# Altium PCB SAMW25_Xplained_Pro.PcbDoc (part 2 of 9) (continued)
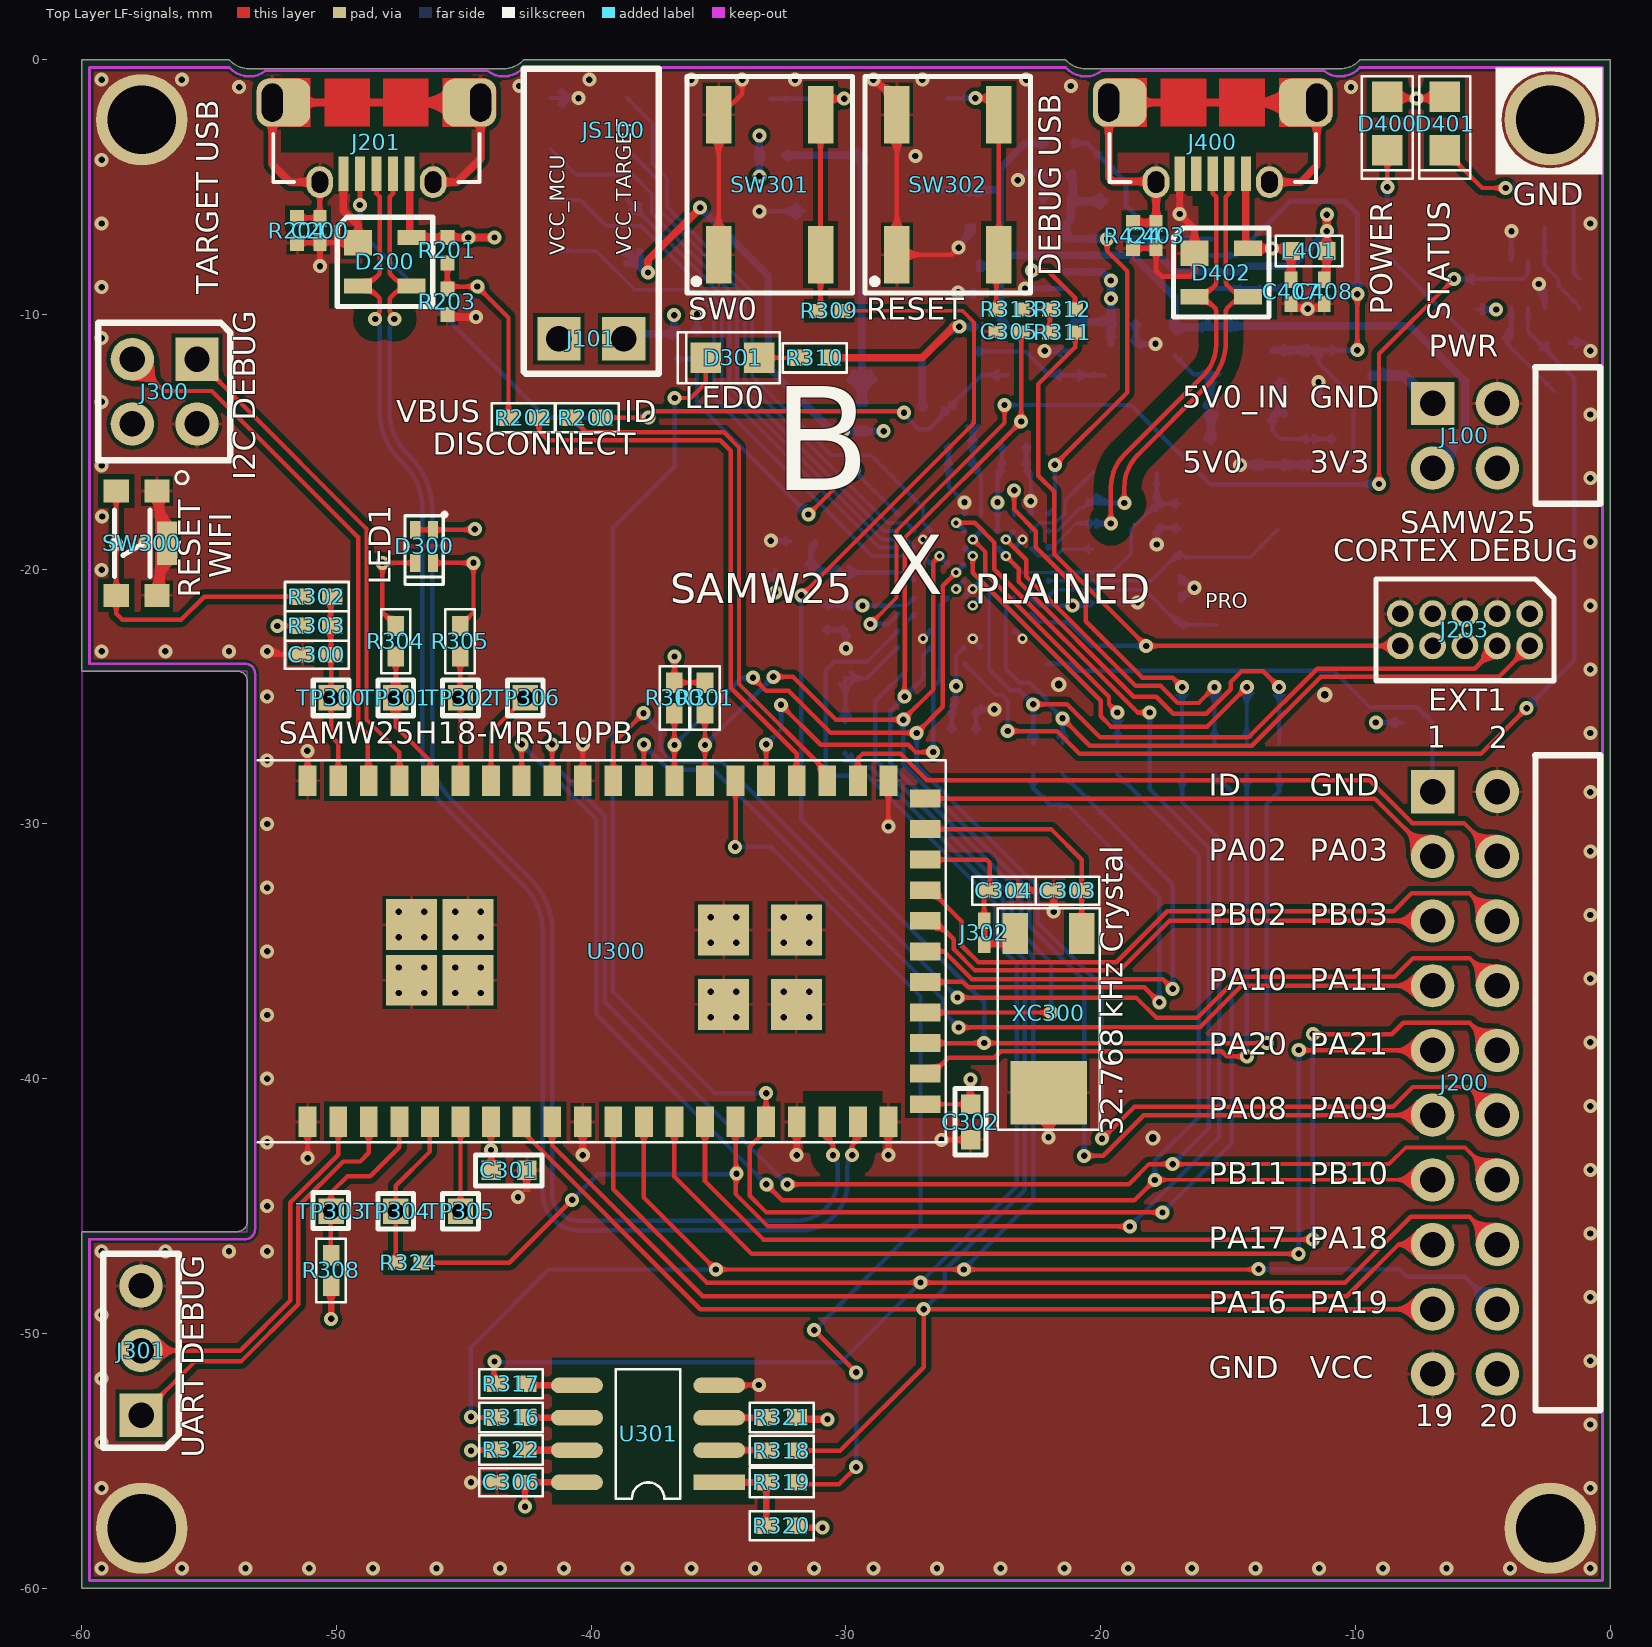
[diagram p0: Top Layer LF-signals view]
## Nets (pads, with @x,y where several pads share a name; then routed paths per layer and width w, separated by ;. In a path a pad name is that pad's centre, name@x,y a point inside that pad or via, vN(x,y) a via of type N, cw(c..) or ccw(c..) an arc to the next point about the centre after c; other vN are vias at no path point) (continued)
EDBG_JTAG_TDI: TP403.1 U400.K8 | length 22
  Bottom Layer LF-signals w0.15: TP403.1@-41.6,-5.5 -40.425,-5.5 -39.4,-6.525 -38.05,-6.525 -34.878,-9.697 -34.878,-12.976 -28.754,-19.1 -28.737,-19.1 -28.712,-19.125 -28.687,-19.15 U400.K8@-27.95,-19.15 ; -28.107,-19.15 cw(c-28.107,-19.307) U400.K8@-27.996,-19.196 ; -28.107,-19.15 ccw(c-28.107,-18.993) U400.K8@-27.996,-19.104 ; -28.107,-19.15 ccw(c-28.107,-18.993) U400.K8@-27.996,-19.104 ; -28.107,-19.15 cw(c-28.107,-19.307) U400.K8@-27.996,-19.196 ; -28.107,-19.15 ccw(c-28.107,-18.993) U400.K8@-27.996,-19.104 ; -28.107,-19.15 cw(c-28.107,-19.307) U400.K8@-27.996,-19.196
EDBG_JTAG_TDO: TP404.1 U400.J8 | length 21.6
  Bottom Layer LF-signals w0.125: -28.097,-18.825 -27.625,-18.825
  Bottom Layer LF-signals w0.15: TP404.1@-38.6,-5.5 -34.578,-9.522 -34.578,-12.852 -28.63,-18.8 -28.612,-18.8 -28.587,-18.825 -28.097,-18.825 ; TP404.1@-38.488,-5.895 cw(c-38.382,-6.27) -38.106,-5.994 cw(c-37.83,-5.718) TP404.1@-38.205,-5.612 ; TP404.1@-38.448,-6.039 cw(c-38.302,-6.552) -37.925,-6.175 cw(c-37.548,-5.798) TP404.1@-38.061,-5.652 ; -27.625,-18.825 U400.J8@-27.3,-19.15 ; -27.411,-19.039 cw(c-27.522,-19.15) U400.J8@-27.365,-19.15 ; -27.411,-19.039 ccw(c-27.3,-18.928) U400.J8@-27.3,-19.085 ; -27.411,-19.039 ccw(c-27.3,-18.928) U400.J8@-27.3,-19.085 ; -27.411,-19.039 cw(c-27.522,-19.15) U400.J8@-27.365,-19.15 ; -27.411,-19.039 ccw(c-27.3,-18.928) U400.J8@-27.3,-19.085 ; -27.411,-19.039 cw(c-27.522,-19.15) U400.J8@-27.365,-19.15
EDBG_JTAG_TMS: TP405.1 U400.H7 | length 22.8
  Bottom Layer LF-signals w0.125: -28.097,-19.475 -26.975,-19.475
  Bottom Layer LF-signals w0.15: TP405.1@-41.6,-7.5 -39.816,-7.5 -38.291,-9.025 -36.025,-9.025 -35.178,-9.872 -35.178,-13.263 -30.85,-17.591 -30.85,-17.6 -28.975,-19.475 -28.097,-19.475 ; -26.975,-19.475 U400.H7@-26.65,-19.8 ; -26.761,-19.689 cw(c-26.872,-19.8) U400.H7@-26.715,-19.8 ; -26.761,-19.689 ccw(c-26.65,-19.578) U400.H7@-26.65,-19.735 ; -26.761,-19.689 ccw(c-26.65,-19.578) U400.H7@-26.65,-19.735 ; -26.761,-19.689 cw(c-26.872,-19.8) U400.H7@-26.715,-19.8 ; -26.761,-19.689 ccw(c-26.65,-19.578) U400.H7@-26.65,-19.735 ; -26.761,-19.689 cw(c-26.872,-19.8) U400.H7@-26.715,-19.8
EDBG_RESET_N: TP406.1 U400.J9 | length 20.9
  Bottom Layer LF-signals w0.125: -28.375,-18.175 -27.803,-18.175
  Bottom Layer LF-signals w0.15: TP406.1@-38.6,-3.5 -37.325,-4.775 -37.325,-5.9 -33.978,-9.247 -33.978,-12.572 -28.375,-18.175 ; -27.803,-18.175 -27.625,-18.175 U400.J9@-27.3,-18.5 ; -27.411,-18.389 cw(c-27.522,-18.5) U400.J9@-27.365,-18.5 ; -27.411,-18.389 ccw(c-27.3,-18.278) U400.J9@-27.3,-18.435 ; -27.411,-18.389 ccw(c-27.3,-18.278) U400.J9@-27.3,-18.435 ; -27.411,-18.389 cw(c-27.522,-18.5) U400.J9@-27.365,-18.5 ; -27.411,-18.389 ccw(c-27.3,-18.278) U400.J9@-27.3,-18.435 ; -27.411,-18.389 cw(c-27.522,-18.5) U400.J9@-27.365,-18.5
EDBG_SPI_DGI_MISO: pad.0@-30.029,-24.275 R420.1 U400.K2 | length 14.9
  Bottom Layer LF-signals w0.15: -28.542,-23.642 U400.K2@-27.95,-23.05 ; -28.061,-23.161 cw(c-27.95,-23.272) U400.K2@-27.95,-23.115 ; -28.061,-23.161 ccw(c-28.172,-23.05) U400.K2@-28.015,-23.05 ; -28.061,-23.161 ccw(c-28.172,-23.05) U400.K2@-28.015,-23.05 ; -28.061,-23.161 cw(c-27.95,-23.272) U400.K2@-27.95,-23.115 ; -28.061,-23.161 ccw(c-28.172,-23.05) U400.K2@-28.015,-23.05 ; -28.061,-23.161 cw(c-27.95,-23.272) U400.K2@-27.95,-23.115
  Bottom Layer LF-signals w0.175: R420.1@-30.025,-26 -30.025,-24.279 pad.0@-30.029,-24.275 -29.175,-24.275 -28.542,-23.642 ; pad.0@-30.25,-24.496 cw(c-30.792,-25.039) -30.025,-25.039 ; pad.0@-30.25,-24.496 cw(c-30.792,-25.039) -30.025,-25.039 ; pad.0@-30.25,-24.496 cw(c-30.792,-25.039) -30.025,-25.039 ; R420.1@-30.193,-25.757 ccw(c-30.598,-25.352) -30.025,-25.352 ; R420.1@-30.193,-25.757 ccw(c-30.598,-25.352) -30.025,-25.352 ; R420.1@-30.193,-25.757 ccw(c-30.598,-25.352) -30.025,-25.352 ; -30.025,-25.352 ccw(c-29.452,-25.352) R420.1@-29.857,-25.757 ; -30.025,-25.352 ccw(c-29.452,-25.352) R420.1@-29.857,-25.757 ; -30.025,-25.352 ccw(c-29.452,-25.352) R420.1@-29.857,-25.757 ; -30.025,-25.02 cw(c-29.284,-25.02) pad.0@-29.808,-24.496 ; -30.025,-25.02 cw(c-29.284,-25.02) pad.0@-29.808,-24.496 ; -30.025,-25.02 cw(c-29.284,-25.02) pad.0@-29.808,-24.496 ; pad.0@-29.808,-24.496 cw(c-29.274,-25.03) -29.274,-24.275 ; pad.0@-29.808,-24.496 cw(c-29.274,-25.03) -29.274,-24.275 ; pad.0@-29.808,-24.496 cw(c-29.274,-25.03) -29.274,-24.275 ; pad.0@-29.808,-24.054 ccw(c-29.274,-23.521) -29.274,-24.275 ; pad.0@-29.808,-24.054 ccw(c-29.274,-23.521) -29.274,-24.275 ; pad.0@-29.808,-24.054 ccw(c-29.274,-23.521) -29.274,-24.275
EDBG_SPI_DGI_MOSI: J200.16@-4.43,-46.51 R317.2 U300.11 U400.K3 | length 99.8
  Top Layer LF-signals w0.175: R317.2@-43.825,-51.85 v1@-43.825,-51.1 ; U300.11@-39.135,-41.696 -39.135,-44.34 -35.473,-48.002 v1(-27.075,-48.002) -10.402,-48.002 -7.823,-45.422 -5.517,-45.422 J200.16@-4.43,-46.51 ; R317.2@-43.993,-51.807 ccw(c-44.398,-51.402) -43.825,-51.402 ; R317.2@-43.993,-51.807 ccw(c-44.398,-51.402) -43.825,-51.402 ; R317.2@-43.993,-51.807 ccw(c-44.398,-51.402) -43.825,-51.402 ; -43.825,-51.402 ccw(c-43.252,-51.402) R317.2@-43.657,-51.807 ; -43.825,-51.402 ccw(c-43.252,-51.402) R317.2@-43.657,-51.807 ; -43.825,-51.402 ccw(c-43.252,-51.402) R317.2@-43.657,-51.807 ; -27.528,-48.002 cw(c-27.528,-48.455) v1@-27.208,-48.135 ; -27.528,-48.002 ccw(c-27.528,-47.55) v1@-27.208,-47.87 ; -27.528,-48.002 ccw(c-27.528,-47.55) v1@-27.208,-47.87 ; -27.528,-48.002 cw(c-27.528,-48.455) v1@-27.208,-48.135 ; -27.528,-48.002 ccw(c-27.528,-47.55) v1@-27.208,-47.87 ; -27.528,-48.002 cw(c-27.528,-48.455) v1@-27.208,-48.135 ; v1@-26.942,-48.135 cw(c-26.622,-48.455) -26.622,-48.002 ; v1@-26.942,-48.135 cw(c-26.622,-48.455) -26.622,-48.002 ; v1@-26.942,-48.135 cw(c-26.622,-48.455) -26.622,-48.002 ; v1@-26.942,-47.87 ccw(c-26.622,-47.55) -26.622,-48.002 ; v1@-26.942,-47.87 ccw(c-26.622,-47.55) -26.622,-48.002 ; v1@-26.942,-47.87 ccw(c-26.622,-47.55) -26.622,-48.002
  Bottom Layer LF-signals w0.15: -29.188,-23.638 U400.K3@-27.95,-22.4 ; -28.061,-22.511 cw(c-27.95,-22.622) U400.K3@-27.95,-22.465 ; -28.061,-22.511 ccw(c-28.172,-22.4) U400.K3@-28.015,-22.4 ; -28.061,-22.511 ccw(c-28.172,-22.4) U400.K3@-28.015,-22.4 ; -28.061,-22.511 cw(c-27.95,-22.622) U400.K3@-27.95,-22.465 ; -28.061,-22.511 ccw(c-28.172,-22.4) U400.K3@-28.015,-22.4 ; -28.061,-22.511 cw(c-27.95,-22.622) U400.K3@-27.95,-22.465
  Bottom Layer LF-signals w0.175: v1@-43.825,-51.125 -30.198,-51.125 v1(-27.075,-48.002) -23.3,-44.227 -23.3,-35.475 -24.15,-34.625 -24.15,-33.104 -29.154,-28.1 -30.425,-28.1 -30.8,-27.725 -30.8,-23.975 -30.463,-23.638 -29.188,-23.638
  other v1: -43.8,-51.1
EDBG_SPI_DGI_SCK: J200.18@-4.43,-49.05 R316.2 U300.12 U400.J4 | length 102.2
  Top Layer LF-signals w0.175: v1@-44.7,-53.3 R316.2@-43.75,-53.3 ; U300.12@-37.935,-41.696 -37.935,-44.665 v1(-35.11,-47.49) v1@-25.425,-47.49 ; v1(-25.375,-47.49) -13.813,-47.49 v1(-13.801,-47.477) ; -44.398,-53.3 cw(c-44.398,-53.873) R316.2@-43.993,-53.468 ; -44.398,-53.3 ccw(c-44.398,-52.727) R316.2@-43.993,-53.132 ; -44.398,-53.3 ccw(c-44.398,-52.727) R316.2@-43.993,-53.132 ; -44.398,-53.3 cw(c-44.398,-53.873) R316.2@-43.993,-53.468 ; -44.398,-53.3 ccw(c-44.398,-52.727) R316.2@-43.993,-53.132 ; -44.398,-53.3 cw(c-44.398,-53.873) R316.2@-43.993,-53.468 ; U300.12@-38.121,-42.132 cw(c-38.569,-42.58) -37.935,-42.58 ; U300.12@-38.121,-42.132 cw(c-38.569,-42.58) -37.935,-42.58 ; U300.12@-38.121,-42.132 cw(c-38.569,-42.58) -37.935,-42.58 ; -37.935,-42.58 cw(c-37.301,-42.58) U300.12@-37.75,-42.132 ; -37.935,-42.58 cw(c-37.301,-42.58) U300.12@-37.75,-42.132 ; -37.935,-42.58 cw(c-37.301,-42.58) U300.12@-37.75,-42.132 ; -35.43,-47.17 cw(c-35.75,-47.49) v1@-35.298,-47.49 ; -35.43,-47.17 ccw(c-35.11,-46.85) v1@-35.11,-47.302 ; -35.43,-47.17 ccw(c-35.11,-46.85) v1@-35.11,-47.302 ; -35.43,-47.17 cw(c-35.75,-47.49) v1@-35.298,-47.49 ; -35.43,-47.17 ccw(c-35.11,-46.85) v1@-35.11,-47.302 ; -35.43,-47.17 cw(c-35.75,-47.49) v1@-35.298,-47.49 ; -35.366,-47.234 cw(c-35.453,-47.56) v1@-35.122,-47.492 ; -35.366,-47.234 cw(c-35.453,-47.56) v1@-35.122,-47.492 ; -35.366,-47.234 ccw(c-35.04,-47.147) v1@-35.108,-47.478 ; -35.366,-47.234 ccw(c-35.04,-47.147) v1@-35.108,-47.478 ; -35.366,-47.234 ccw(c-35.04,-47.147) v1@-35.108,-47.478 ; -35.366,-47.234 cw(c-35.453,-47.56) v1@-35.122,-47.492 ; v1@-34.978,-47.622 cw(c-34.657,-47.942) -34.657,-47.49 ; v1@-34.978,-47.622 cw(c-34.657,-47.942) -34.657,-47.49 ; v1@-34.978,-47.622 cw(c-34.657,-47.942) -34.657,-47.49 ; v1@-34.978,-47.357 ccw(c-34.657,-47.037) -34.657,-47.49 ; v1@-34.978,-47.357 ccw(c-34.657,-47.037) -34.657,-47.49 ; v1@-34.978,-47.357 ccw(c-34.657,-47.037) -34.657,-47.49 ; -25.828,-47.49 cw(c-25.828,-47.942) v1@-25.508,-47.622 ; -25.828,-47.49 ccw(c-25.828,-47.037) v1@-25.508,-47.357 ; -25.828,-47.49 ccw(c-25.828,-47.037) v1@-25.508,-47.357 ; -25.828,-47.49 cw(c-25.828,-47.942) v1@-25.508,-47.622 ; -25.828,-47.49 ccw(c-25.828,-47.037) v1@-25.508,-47.357 ; -25.828,-47.49 cw(c-25.828,-47.942) v1@-25.508,-47.622 ; v1@-25.242,-47.622 cw(c-24.922,-47.942) -24.922,-47.49 ; v1@-25.242,-47.622 cw(c-24.922,-47.942) -24.922,-47.49 ; v1@-25.242,-47.622 cw(c-24.922,-47.942) -24.922,-47.49 ; v1@-25.242,-47.357 ccw(c-24.922,-47.037) -24.922,-47.49 ; v1@-25.242,-47.357 ccw(c-24.922,-47.037) -24.922,-47.49 ; v1@-25.242,-47.357 ccw(c-24.922,-47.037) -24.922,-47.49 ; -14.284,-47.49 ccw(c-14.284,-46.994) v1@-13.933,-47.345 ; -14.284,-47.49 ccw(c-14.284,-46.994) v1@-13.933,-47.345 ; -14.284,-47.49 ccw(c-14.284,-46.994) v1@-13.933,-47.345 ; -14.223,-47.49 cw(c-14.223,-47.9) v1@-13.933,-47.61 ; -14.223,-47.49 cw(c-14.223,-47.9) v1@-13.933,-47.61 ; -14.223,-47.49 cw(c-14.223,-47.9) v1@-13.933,-47.61
  Bottom Layer LF-signals w0.125: -27.625,-23.95 -27.625,-22.075
  Bottom Layer LF-signals w0.15: -27.625,-22.075 U400.J4@-27.3,-21.75 ; -27.411,-21.861 cw(c-27.3,-21.972) U400.J4@-27.3,-21.815 ; -27.411,-21.861 ccw(c-27.522,-21.75) U400.J4@-27.365,-21.75 ; -27.411,-21.861 ccw(c-27.522,-21.75) U400.J4@-27.365,-21.75 ; -27.411,-21.861 cw(c-27.3,-21.972) U400.J4@-27.3,-21.815 ; -27.411,-21.861 ccw(c-27.522,-21.75) U400.J4@-27.365,-21.75 ; -27.411,-21.861 cw(c-27.3,-21.972) U400.J4@-27.3,-21.815
  Bottom Layer LF-signals w0.175: v1(-44.725,-53.275) -44.725,-50.55 -41.665,-47.49 v1(-35.11,-47.49) ; -27.625,-23.95 -28.856,-25.181 -28.856,-27.479 -23.5,-32.835 -23.5,-34.356 -22.65,-35.206 -22.65,-44.765 v1(-25.375,-47.49) ; v1(-13.801,-47.477) -8.273,-47.477 -7.975,-47.775 -5.705,-47.775 J200.18@-4.43,-49.05
EDBG_SPI_DGI_SS: U300.36 U400.G5 | length 21.4
  Top Layer LF-signals w0.175: U300.36@-33.135,-28.296 v1(-33.135,-26.875) ; v1(-32.55,-25.325) -30.99,-26.885 -27.561,-26.885 -27.271,-27.175 v1(-26.575,-27.175) ; v1@-32.553,-25.337 cw(c-32.62,-25.668) -32.294,-25.581 ; v1@-32.553,-25.337 cw(c-32.62,-25.668) -32.294,-25.581 ; v1@-32.553,-25.337 cw(c-32.62,-25.668) -32.294,-25.581 ; v1@-32.55,-25.512 cw(c-32.55,-25.965) -32.23,-25.645 ; v1@-32.55,-25.512 cw(c-32.55,-25.965) -32.23,-25.645 ; v1@-32.55,-25.512 cw(c-32.55,-25.965) -32.23,-25.645 ; v1@-32.538,-25.322 ccw(c-32.207,-25.255) -32.294,-25.581 ; v1@-32.538,-25.322 ccw(c-32.207,-25.255) -32.294,-25.581 ; v1@-32.538,-25.322 ccw(c-32.207,-25.255) -32.294,-25.581 ; v1@-32.363,-25.325 ccw(c-31.91,-25.325) -32.23,-25.645 ; v1@-32.363,-25.325 ccw(c-31.91,-25.325) -32.23,-25.645 ; v1@-32.363,-25.325 ccw(c-31.91,-25.325) -32.23,-25.645
  Bottom Layer LF-signals w0.125: -26.325,-23.95 -26.325,-21.425
  Bottom Layer LF-signals w0.15: -26.325,-21.425 U400.G5@-26,-21.1 ; -26.111,-21.211 cw(c-26,-21.322) U400.G5@-26,-21.165 ; -26.111,-21.211 ccw(c-26.222,-21.1) U400.G5@-26.065,-21.1 ; -26.111,-21.211 ccw(c-26.222,-21.1) U400.G5@-26.065,-21.1 ; -26.111,-21.211 cw(c-26,-21.322) U400.G5@-26,-21.165 ; -26.111,-21.211 ccw(c-26.222,-21.1) U400.G5@-26.065,-21.1 ; -26.111,-21.211 cw(c-26,-21.322) U400.G5@-26,-21.165
  Bottom Layer LF-signals w0.175: v1(-33.135,-26.875) -32.55,-26.29 v1(-32.55,-25.325) ; v1(-26.575,-27.175) -26.575,-24.625 -26.325,-24.375 -26.325,-23.95
EDBG_USB_FS_N: R421.2 U400.B9 | length 4.6
  Bottom Layer LF-signals w0.125: U400.B9@-22.751,-18.524 -22.402,-18.175 -21.775,-18.175 -21.4,-17.8 -21.4,-17.3 ; U400.B9@-22.75,-18.423 ccw(c-22.75,-18.18) -22.579,-18.352 ; U400.B9@-22.75,-18.423 ccw(c-22.75,-18.18) -22.579,-18.352 ; U400.B9@-22.75,-18.423 ccw(c-22.75,-18.18) -22.579,-18.352 ; U400.B9@-22.673,-18.5 cw(c-22.541,-18.5) -22.634,-18.407 ; U400.B9@-22.673,-18.5 cw(c-22.541,-18.5) -22.634,-18.407 ; U400.B9@-22.673,-18.5 cw(c-22.541,-18.5) -22.634,-18.407
  Bottom Layer LF-signals w0.175: -21.4,-17.3 -20.7,-16.6
  Bottom Layer LF-signals w0.18: -20.7,-16.6 R421.2@-20.3,-16.2
EDBG_USB_FS_P: R422.2 U400.B8 | length 6
  Bottom Layer LF-signals w0.125: U400.B8@-22.751,-19.174 -22.448,-19.476 -21.751,-19.476 -21.475,-19.2 R422.2@-20.3,-19.2 ; U400.B8@-22.75,-19.228 cw(c-22.75,-19.355) -22.66,-19.265 ; U400.B8@-22.75,-19.228 cw(c-22.75,-19.355) -22.66,-19.265 ; U400.B8@-22.75,-19.228 cw(c-22.75,-19.355) -22.66,-19.265 ; U400.B8@-22.673,-19.15 ccw(c-22.426,-19.15) -22.6,-19.325 ; U400.B8@-22.673,-19.15 ccw(c-22.426,-19.15) -22.6,-19.325 ; U400.B8@-22.673,-19.15 ccw(c-22.426,-19.15) -22.6,-19.325 ; -20.813,-19.2 cw(c-20.813,-19.713) R422.2@-20.45,-19.35 ; -20.813,-19.2 ccw(c-20.813,-18.687) R422.2@-20.45,-19.05 ; -20.813,-19.2 ccw(c-20.813,-18.687) R422.2@-20.45,-19.05 ; -20.813,-19.2 cw(c-20.813,-19.713) R422.2@-20.45,-19.35 ; -20.813,-19.2 ccw(c-20.813,-18.687) R422.2@-20.45,-19.05 ; -20.813,-19.2 cw(c-20.813,-19.713) R422.2@-20.45,-19.35
EDBG_USB_HS_N: D402.3 J400.2 R421.1 U400.A9 | length 36.2
  Top Layer LF-signals w0.18: v2(-19.075,-17.4) -19.075,-16.799 cw(c-17.235,-16.799) -18.536,-15.499 -15.813,-12.775 ccw(c-17.569,-11.018) -15.085,-11.018 -15.085,-9.889 cw(c-14.849,-9.889) -15.016,-9.722 -14.861,-9.567 cw(c-14.216,-10.213) D402.3@-14.216,-9.3 cw(c-14.216,-8.387) -14.861,-9.033 -15.016,-8.878 cw(c-14.849,-8.711) -15.085,-8.711 -15.085,-5.38 -14.95,-5.245 J400.2@-14.95,-4.475 ; v2@-19.206,-17.269 ccw(c-19.522,-16.953) -19.075,-16.953 ; v2@-19.206,-17.269 ccw(c-19.522,-16.953) -19.075,-16.953 ; v2@-19.206,-17.269 ccw(c-19.522,-16.953) -19.075,-16.953 ; -19.075,-16.953 ccw(c-18.628,-16.953) v2@-18.944,-17.269 ; -19.075,-16.953 ccw(c-18.628,-16.953) v2@-18.944,-17.269 ; -19.075,-16.953 ccw(c-18.628,-16.953) v2@-18.944,-17.269 ; J400.2@-15.028,-5.028 cw(c-15.216,-5.216) -14.95,-5.216 ; J400.2@-15.028,-5.028 cw(c-15.216,-5.216) -14.95,-5.216 ; J400.2@-15.028,-5.028 cw(c-15.216,-5.216) -14.95,-5.216 ; -14.95,-5.216 cw(c-14.684,-5.216) J400.2@-14.872,-5.028 ; -14.95,-5.216 cw(c-14.684,-5.216) J400.2@-14.872,-5.028 ; -14.95,-5.216 cw(c-14.684,-5.216) J400.2@-14.872,-5.028
  Bottom Layer LF-signals w0.125: U400.A9@-22.1,-18.5 -21.71,-18.5 -20.805,-17.595 -20.695,-17.595 ; R421.1@-20.3,-17.2 -20.695,-17.595 ; U400.A9@-22.045,-18.555 cw(c-21.913,-18.687) -21.913,-18.5 ; U400.A9@-22.045,-18.555 cw(c-21.913,-18.687) -21.913,-18.5 ; U400.A9@-22.045,-18.555 cw(c-21.913,-18.687) -21.913,-18.5 ; U400.A9@-22.045,-18.445 ccw(c-21.913,-18.313) -21.913,-18.5 ; U400.A9@-22.045,-18.445 ccw(c-21.913,-18.313) -21.913,-18.5 ; U400.A9@-22.045,-18.445 ccw(c-21.913,-18.313) -21.913,-18.5 ; -20.695,-17.595 cw(c-20.314,-17.976) R421.1@-20.304,-17.437 ; -20.695,-17.595 cw(c-20.314,-17.976) R421.1@-20.304,-17.437 ; -20.695,-17.595 cw(c-20.314,-17.976) R421.1@-20.304,-17.437 ; -20.645,-17.545 ccw(c-20.965,-17.225) R421.1@-20.513,-17.225 ; -20.645,-17.545 ccw(c-20.965,-17.225) R421.1@-20.513,-17.225 ; -20.645,-17.545 ccw(c-20.965,-17.225) R421.1@-20.513,-17.225 ; R421.1@-20.532,-17.494 ccw(c-20.622,-17.133) R421.1@-20.264,-17.235 ; R421.1@-20.532,-17.494 ccw(c-20.622,-17.133) R421.1@-20.264,-17.235 ; R421.1@-20.532,-17.494 ccw(c-20.622,-17.133) R421.1@-20.264,-17.235
  Bottom Layer LF-signals w0.18: R421.1@-20.266,-17.234 -20.1,-17.4 v2(-19.075,-17.4) ; R421.1@-20.297,-17.229 cw(c-20.124,-17.41) -19.998,-17.193 ; R421.1@-20.297,-17.229 cw(c-20.124,-17.41) -19.998,-17.193 ; R421.1@-20.297,-17.229 cw(c-20.124,-17.41) -19.998,-17.193 ; R421.1@-20.296,-17.221 ccw(c-19.865,-16.79) -19.865,-17.4 ; R421.1@-20.296,-17.221 ccw(c-19.865,-16.79) -19.865,-17.4 ; R421.1@-20.296,-17.221 ccw(c-19.865,-16.79) -19.865,-17.4 ; R421.1@-20.201,-17.381 cw(c-20.11,-17.525) R421.1@-20.026,-17.378 ; R421.1@-20.201,-17.381 cw(c-20.11,-17.525) R421.1@-20.026,-17.378 ; R421.1@-20.201,-17.381 cw(c-20.11,-17.525) R421.1@-20.026,-17.378 ; R421.1@-20.172,-17.359 cw(c-19.951,-17.59) -19.79,-17.313 ; R421.1@-20.172,-17.359 cw(c-19.951,-17.59) -19.79,-17.313 ; R421.1@-20.172,-17.359 cw(c-19.951,-17.59) -19.79,-17.313 ; R421.1@-20.169,-17.094 ccw(c-19.431,-16.356) -19.431,-17.4 ; R421.1@-20.169,-17.094 ccw(c-19.431,-16.356) -19.431,-17.4 ; R421.1@-20.169,-17.094 ccw(c-19.431,-16.356) -19.431,-17.4 ; R421.1@-20.115,-17.224 ccw(c-19.936,-17.223) R421.1@-20.026,-17.378 ; R421.1@-20.115,-17.224 ccw(c-19.936,-17.223) R421.1@-20.026,-17.378 ; R421.1@-20.115,-17.224 ccw(c-19.936,-17.223) R421.1@-20.026,-17.378 ; -19.522,-17.4 cw(c-19.522,-17.847) v2@-19.206,-17.531 ; -19.522,-17.4 ccw(c-19.522,-16.953) v2@-19.206,-17.269 ; -19.522,-17.4 ccw(c-19.522,-16.953) v2@-19.206,-17.269 ; -19.522,-17.4 cw(c-19.522,-17.847) v2@-19.206,-17.531 ; -19.522,-17.4 ccw(c-19.522,-16.953) v2@-19.206,-17.269 ; -19.522,-17.4 cw(c-19.522,-17.847) v2@-19.206,-17.531
EDBG_USB_HS_P: D402.2 J400.3 R422.1 U400.A8 | length 48
  Top Layer LF-signals w0.18: v2(-19.6,-18.2) -19.6,-16.787 cw(c-17.76,-16.787) -19.061,-15.486 -15.97,-12.395 ccw(c-17.189,-11.176) -15.465,-11.176 -15.465,-9.886 ccw(c-15.701,-9.886) -15.534,-9.719 ; D402.2@-16.334,-9.303 ccw(c-16.334,-8.39) D402.2@-16.26,-9.3 ; D402.2@-16.334,-9.297 cw(c-16.334,-10.21) D402.2@-16.26,-9.3 ; J400.3@-15.6,-4.475 -15.6,-5.245 -15.465,-5.38 -15.465,-8.714 cw(c-15.701,-8.714) -15.534,-8.881 ; v2@-19.731,-18.069 ccw(c-20.047,-17.753) -19.6,-17.753 ; v2@-19.731,-18.069 ccw(c-20.047,-17.753) -19.6,-17.753 ; v2@-19.731,-18.069 ccw(c-20.047,-17.753) -19.6,-17.753 ; -19.6,-17.753 ccw(c-19.153,-17.753) v2@-19.469,-18.069 ; -19.6,-17.753 ccw(c-19.153,-17.753) v2@-19.469,-18.069 ; -19.6,-17.753 ccw(c-19.153,-17.753) v2@-19.469,-18.069 ; D402.2@-16.26,-9.3 cw(c-16.334,-10.21) -15.689,-9.564 ; D402.2@-16.26,-9.3 ccw(c-16.334,-8.39) -15.689,-9.036 ; D402.2@-16.06,-9.51 cw(c-16.04,-10.225) -15.534,-9.719 ; D402.2@-16.06,-9.51 cw(c-16.04,-10.225) -15.534,-9.719 ; D402.2@-16.06,-9.51 cw(c-16.04,-10.225) -15.534,-9.719 ; D402.2@-16.06,-9.09 ccw(c-16.04,-8.375) -15.534,-8.881 ; D402.2@-16.06,-9.09 ccw(c-16.04,-8.375) -15.534,-8.881 ; D402.2@-16.06,-9.09 ccw(c-16.04,-8.375) -15.534,-8.881 ; D402.2@-16.039,-9.312 cw(c-15.531,-9.534) -15.659,-8.995 ; D402.2@-16.039,-9.312 cw(c-15.531,-9.534) -15.659,-8.995 ; D402.2@-16.039,-9.312 cw(c-15.531,-9.534) -15.659,-8.995 ; D402.2@-16.039,-9.288 ccw(c-15.531,-9.066) -15.659,-9.605 ; D402.2@-16.039,-9.288 ccw(c-15.531,-9.066) -15.659,-9.605 ; D402.2@-16.039,-9.288 ccw(c-15.531,-9.066) -15.659,-9.605 ; D402.2@-15.994,-9.497 cw(c-15.894,-9.769) -15.689,-9.564 ; D402.2@-15.994,-9.497 cw(c-15.894,-9.769) -15.689,-9.564 ; D402.2@-15.994,-9.497 cw(c-15.894,-9.769) -15.689,-9.564 ; D402.2@-15.994,-9.103 ccw(c-15.894,-8.831) -15.689,-9.036 ; D402.2@-15.994,-9.103 ccw(c-15.894,-8.831) -15.689,-9.036 ; D402.2@-15.994,-9.103 ccw(c-15.894,-8.831) -15.689,-9.036 ; -15.689,-9.564 -15.534,-9.719 ; -15.689,-9.036 -15.534,-8.881 ; J400.3@-15.678,-5.028 cw(c-15.866,-5.216) -15.6,-5.216 ; J400.3@-15.678,-5.028 cw(c-15.866,-5.216) -15.6,-5.216 ; J400.3@-15.678,-5.028 cw(c-15.866,-5.216) -15.6,-5.216 ; -15.6,-5.216 cw(c-15.334,-5.216) J400.3@-15.522,-5.028 ; -15.6,-5.216 cw(c-15.334,-5.216) J400.3@-15.522,-5.028 ; -15.6,-5.216 cw(c-15.334,-5.216) J400.3@-15.522,-5.028
  Bottom Layer LF-signals w0.125: U400.A8@-22.1,-19.15 -21.9,-19.15 -20.95,-18.2 ; U400.A8@-22.076,-19.076 ccw(c-22.014,-18.884) -21.871,-19.027 ; U400.A8@-22.1,-19.198 ccw(c-22.1,-18.829) -21.84,-19.09 ; U400.A8@-22.1,-19.198 ccw(c-22.1,-18.829) -21.84,-19.09 ; U400.A8@-22.1,-19.198 ccw(c-22.1,-18.829) -21.84,-19.09 ; U400.A8@-22.1,-19.072 ccw(c-22.1,-18.403) -21.626,-18.876 ; U400.A8@-22.1,-19.072 ccw(c-22.1,-18.403) -21.626,-18.876 ; U400.A8@-22.1,-19.072 ccw(c-22.1,-18.403) -21.626,-18.876 ; U400.A8@-22.045,-19.205 cw(c-21.913,-19.337) -21.913,-19.15 ; U400.A8@-22.045,-19.205 cw(c-21.913,-19.337) -21.913,-19.15 ; U400.A8@-22.045,-19.205 cw(c-21.913,-19.337) -21.913,-19.15 ; U400.A8@-22.045,-19.095 ccw(c-21.913,-18.963) -21.913,-19.15 ; U400.A8@-22.045,-19.095 ccw(c-21.913,-18.963) -21.913,-19.15 ; U400.A8@-22.045,-19.095 ccw(c-21.913,-18.963) -21.913,-19.15 ; U400.A8@-22.033,-19.189 cw(c-21.65,-19.41) -21.764,-18.982 ; U400.A8@-22.033,-19.189 cw(c-21.65,-19.41) -21.764,-18.982 ; U400.A8@-22.033,-19.189 cw(c-21.65,-19.41) -21.764,-18.982
  Bottom Layer LF-signals w0.175: -20.95,-18.2 -20.7,-18.2
  Bottom Layer LF-signals w0.18: v2(-19.6,-18.2) R422.1@-20.3,-18.2 -20.7,-18.2 ; -20.7,-18.2 cw(c-20.7,-18.54) R422.1@-20.441,-18.32 ; -20.7,-18.2 ccw(c-20.7,-17.86) R422.1@-20.441,-18.08 ; -20.7,-18.2 ccw(c-20.7,-17.86) R422.1@-20.441,-18.08 ; -20.7,-18.2 cw(c-20.7,-18.54) R422.1@-20.441,-18.32 ; -20.7,-18.2 ccw(c-20.7,-17.86) R422.1@-20.441,-18.08 ; -20.7,-18.2 cw(c-20.7,-18.54) R422.1@-20.441,-18.32 ; R422.1@-20.169,-18.331 cw(c-19.853,-18.647) v2@-19.853,-18.2 ; R422.1@-20.169,-18.331 cw(c-19.853,-18.647) v2@-19.853,-18.2 ; R422.1@-20.169,-18.331 cw(c-19.853,-18.647) v2@-19.853,-18.2 ; R422.1@-20.169,-18.069 ccw(c-19.853,-17.753) v2@-19.853,-18.2 ; R422.1@-20.169,-18.069 ccw(c-19.853,-17.753) v2@-19.853,-18.2 ; R422.1@-20.169,-18.069 ccw(c-19.853,-17.753) v2@-19.853,-18.2 ; R422.1@-20.129,-18.296 cw(c-20.008,-18.347) -19.973,-18.22 ; R422.1@-20.129,-18.296 cw(c-20.008,-18.347) -19.973,-18.22 ; R422.1@-20.129,-18.296 cw(c-20.008,-18.347) -19.973,-18.22 ; R422.1@-20.129,-18.104 ccw(c-20.008,-18.053) -19.973,-18.18 ; R422.1@-20.129,-18.104 ccw(c-20.008,-18.053) -19.973,-18.18 ; R422.1@-20.129,-18.104 ccw(c-20.008,-18.053) -19.973,-18.18 ; R422.1@-20.047,-18.2 cw(c-20.047,-18.647) v2@-19.731,-18.331 ; R422.1@-20.047,-18.2 ccw(c-20.047,-17.753) v2@-19.731,-18.069 ; R422.1@-20.047,-18.2 ccw(c-20.047,-17.753) v2@-19.731,-18.069 ; R422.1@-20.047,-18.2 cw(c-20.047,-18.647) v2@-19.731,-18.331 ; R422.1@-20.047,-18.2 ccw(c-20.047,-17.753) v2@-19.731,-18.069 ; R422.1@-20.047,-18.2 cw(c-20.047,-18.647) v2@-19.731,-18.331 ; -19.967,-18.23 cw(c-19.915,-18.426) v2@-19.75,-18.308 ; -19.967,-18.23 cw(c-19.915,-18.426) v2@-19.75,-18.308 ; -19.967,-18.23 cw(c-19.915,-18.426) v2@-19.75,-18.308 ; -19.967,-18.23 cw(c-19.915,-18.426) v2@-19.75,-18.308 ; -19.967,-18.23 cw(c-19.915,-18.426) v2@-19.75,-18.308 ; -19.967,-18.23 cw(c-19.915,-18.426) v2@-19.75,-18.308 ; -19.967,-18.17 ccw(c-19.915,-17.974) v2@-19.75,-18.092 ; -19.967,-18.17 ccw(c-19.915,-17.974) v2@-19.75,-18.092 ; -19.967,-18.17 ccw(c-19.915,-17.974) v2@-19.75,-18.092 ; -19.967,-18.17 ccw(c-19.915,-17.974) v2@-19.75,-18.092 ; -19.967,-18.17 ccw(c-19.915,-17.974) v2@-19.75,-18.092 ; -19.967,-18.17 ccw(c-19.915,-17.974) v2@-19.75,-18.092 ; -19.895,-18.211 ccw(c-19.953,-17.996) v2@-19.76,-18.108 ; -19.895,-18.211 ccw(c-19.953,-17.996) v2@-19.76,-18.108 ; -19.895,-18.211 ccw(c-19.953,-17.996) v2@-19.76,-18.108 ; -19.895,-18.211 ccw(c-19.953,-17.996) v2@-19.76,-18.108 ; -19.895,-18.211 ccw(c-19.953,-17.996) v2@-19.76,-18.108 ; -19.895,-18.211 ccw(c-19.953,-17.996) v2@-19.76,-18.108 ; -19.895,-18.189 cw(c-19.953,-18.404) v2@-19.76,-18.292 ; -19.895,-18.189 cw(c-19.953,-18.404) v2@-19.76,-18.292 ; -19.895,-18.189 cw(c-19.953,-18.404) v2@-19.76,-18.292 ; -19.895,-18.189 cw(c-19.953,-18.404) v2@-19.76,-18.292 ; -19.895,-18.189 cw(c-19.953,-18.404) v2@-19.76,-18.292 ; -19.895,-18.189 cw(c-19.953,-18.404) v2@-19.76,-18.292